# Altium PCB Copy of PCB1.PcbDoc (part 2 of 2) (continued)
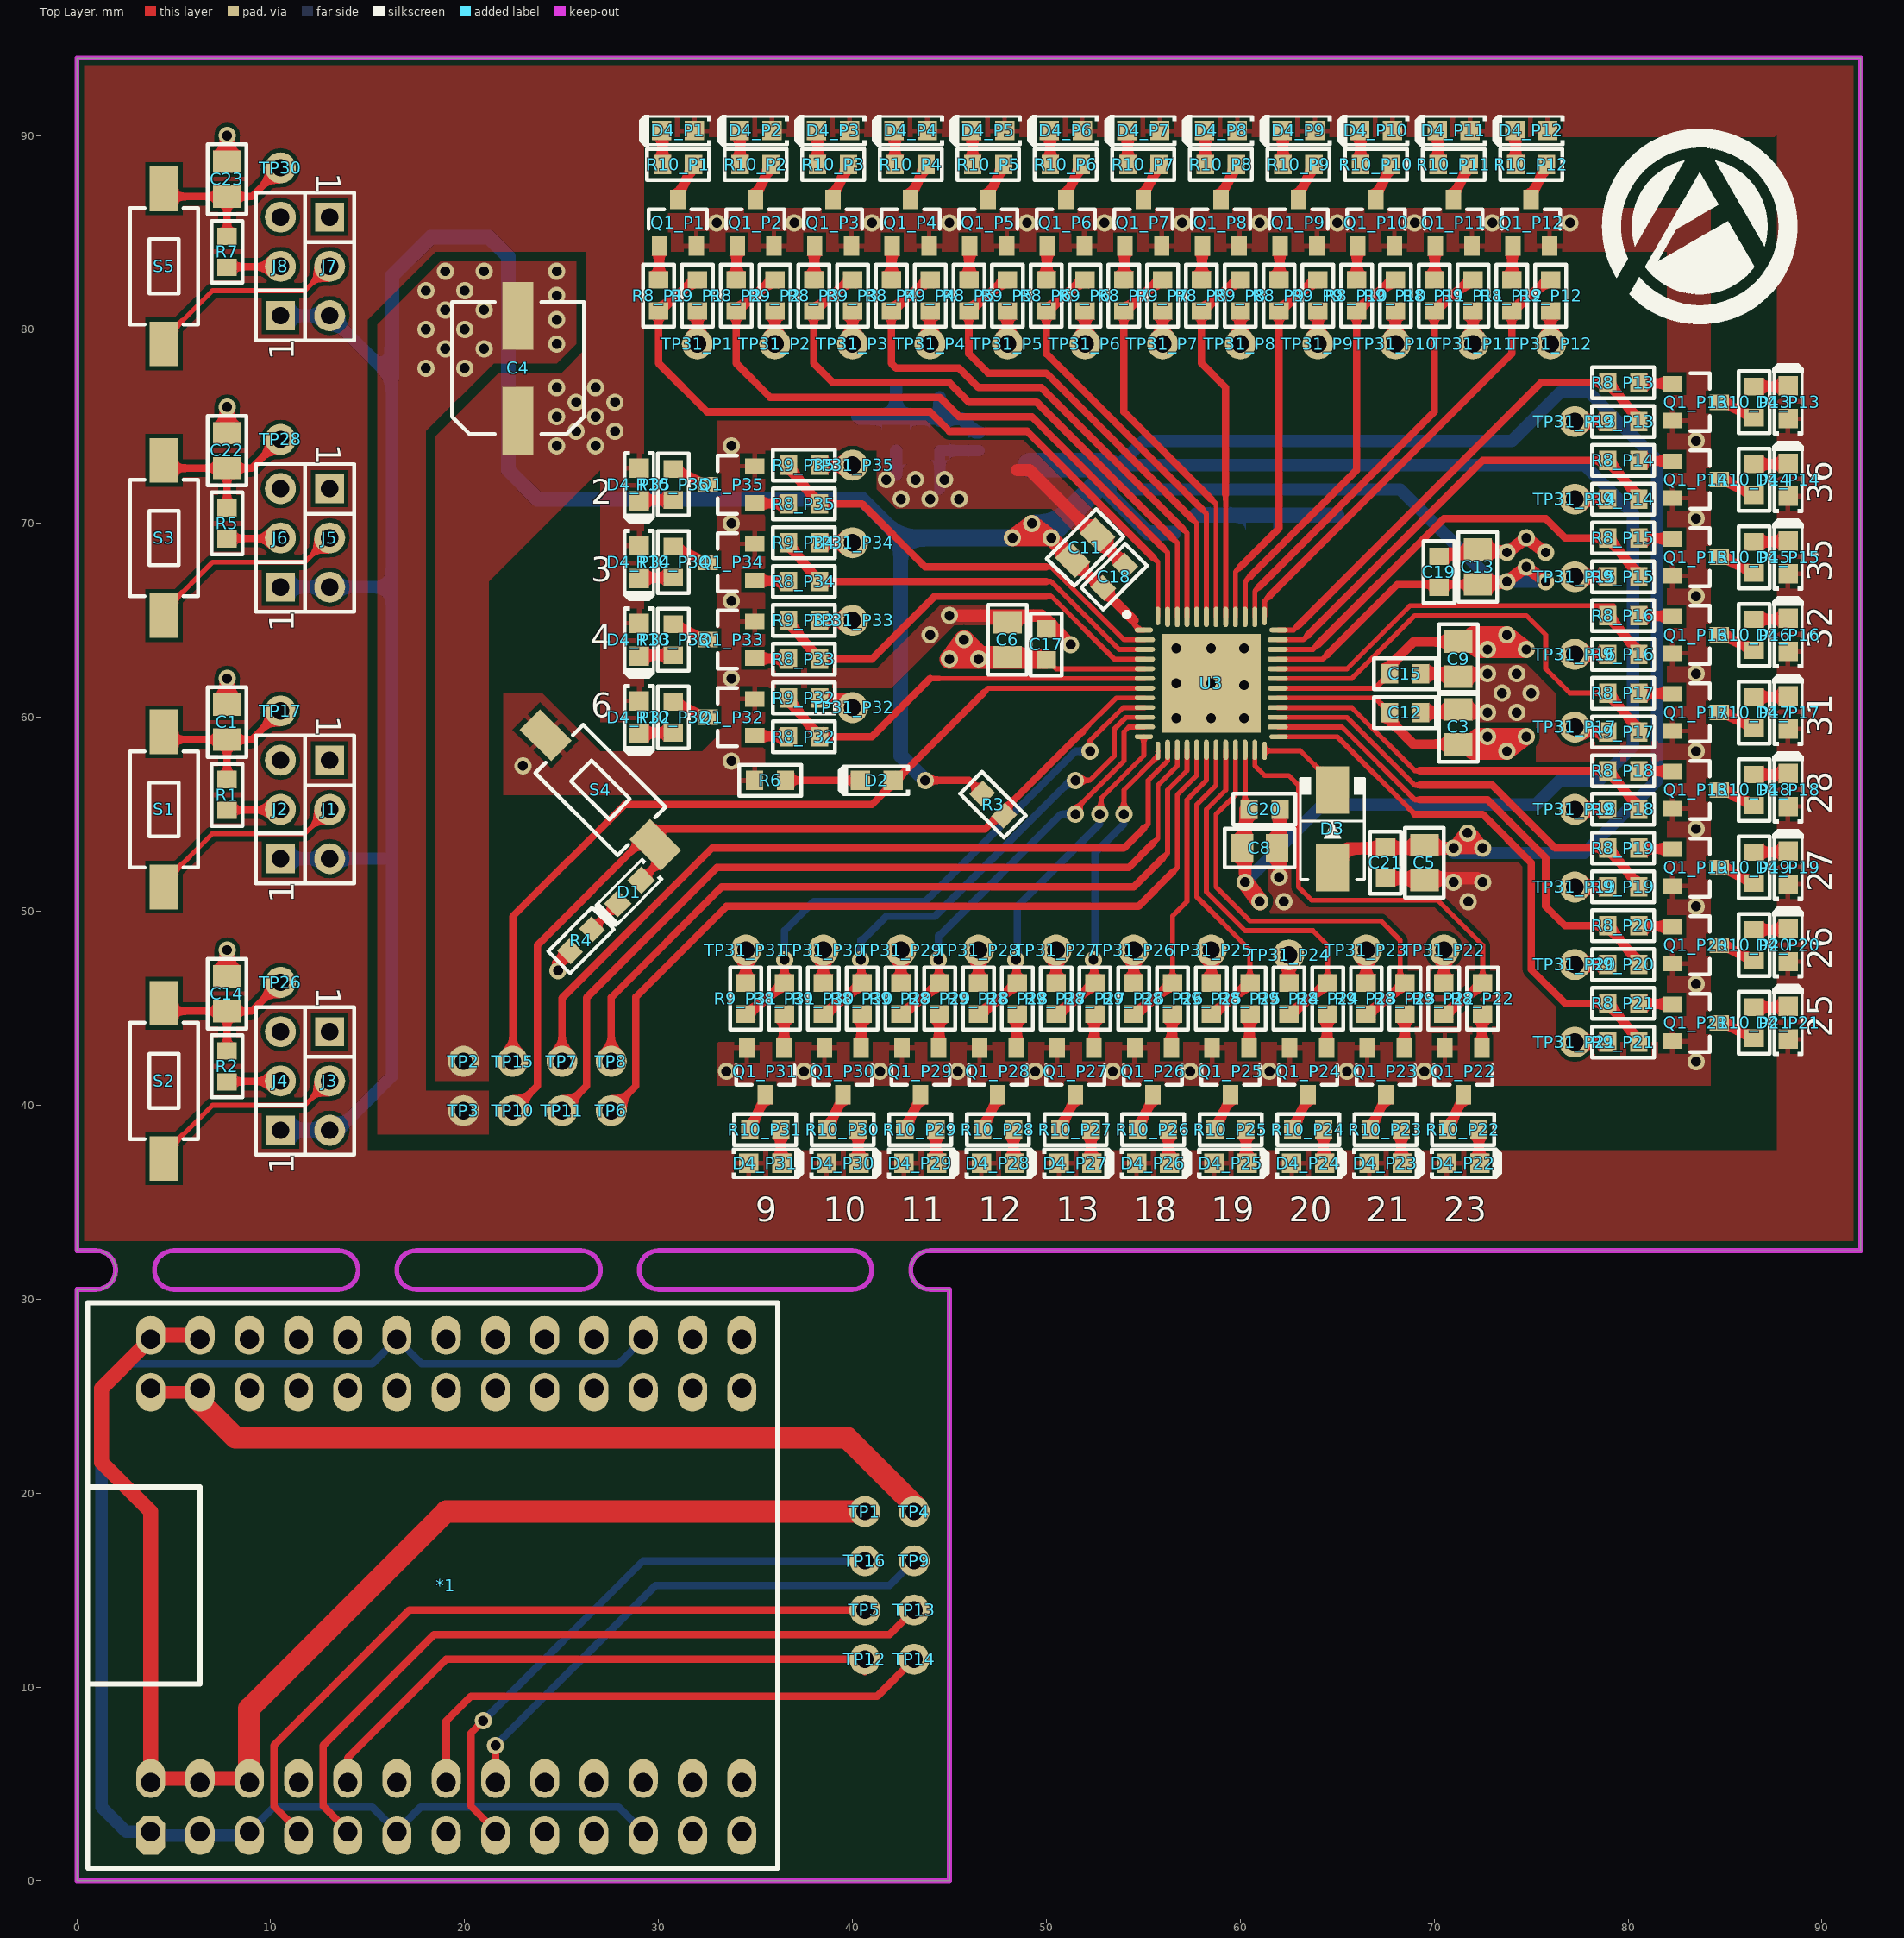
[diagram p0: Top Layer view]
## Nets (pads, with @x,y where several pads share a name; then routed paths per layer and width w, separated by ;. In a path a pad name is that pad's centre, name@x,y a point inside that pad or via, vN(x,y) a via of type N, cw(c..) or ccw(c..) an arc to the next point about the centre after c; other vN are vias at no path point) (continued)
NetQ1_P19_1: Q1_P19.1 R8_P19.2 | length 1.8
  Top Layer w0.508: R8_P19.2@80.6,53.25 80.625,53.225 82.375,53.225 Q1_P19.1@82.4,53.2
NetQ1_P19_3: Q1_P19.3 R10_P19.1 | length 1.9
  Top Layer w0.508: Q1_P19.3@84.8,52.25 R10_P19.1@86.55,51.45
NetQ1_P20_1: Q1_P20.1 R8_P20.2 | length 1.8
  Top Layer w0.508: R8_P20.2@80.6,49.25 80.625,49.225 82.375,49.225 Q1_P20.1@82.4,49.2
NetQ1_P20_3: Q1_P20.3 R10_P20.1 | length 1.9
  Top Layer w0.508: Q1_P20.3@84.8,48.25 R10_P20.1@86.55,47.45
NetQ1_P21_1: Q1_P21.1 R8_P21.2 | length 1.8
  Top Layer w0.508: R8_P21.2@80.6,45.25 80.625,45.225 82.375,45.225 Q1_P21.1@82.4,45.2
NetQ1_P21_3: Q1_P21.3 R10_P21.1 | length 1.9
  Top Layer w0.508: Q1_P21.3@84.8,44.25 R10_P21.1@86.55,43.45
NetQ1_P22_1: Q1_P22.1 R8_P22.2 | length 1.8
  Top Layer w0.508: Q1_P22.1@72.45,42.85 72.475,42.875 72.475,44.625 R8_P22.2@72.5,44.65
NetQ1_P22_3: Q1_P22.3 R10_P22.1 | length 1.9
  Top Layer w0.508: R10_P22.1@70.7,38.7 Q1_P22.3@71.5,40.45
NetQ1_P23_1: Q1_P23.1 R8_P23.2 | length 1.8
  Top Layer w0.508: Q1_P23.1@68.45,42.85 68.475,42.875 68.475,44.625 R8_P23.2@68.5,44.65
NetQ1_P23_3: Q1_P23.3 R10_P23.1 | length 1.9
  Top Layer w0.508: R10_P23.1@66.7,38.7 Q1_P23.3@67.5,40.45
NetQ1_P24_1: Q1_P24.1 R8_P24.2 | length 1.8
  Top Layer w0.508: Q1_P24.1@64.45,42.85 64.475,42.875 64.475,44.625 R8_P24.2@64.5,44.65
NetQ1_P24_3: Q1_P24.3 R10_P24.1 | length 1.9
  Top Layer w0.508: R10_P24.1@62.7,38.7 Q1_P24.3@63.5,40.45
NetQ1_P25_1: Q1_P25.1 R8_P25.2 | length 1.8
  Top Layer w0.508: Q1_P25.1@60.45,42.85 60.475,42.875 60.475,44.625 R8_P25.2@60.5,44.65
NetQ1_P25_3: Q1_P25.3 R10_P25.1 | length 1.9
  Top Layer w0.508: R10_P25.1@58.7,38.7 Q1_P25.3@59.5,40.45
NetQ1_P26_1: Q1_P26.1 R8_P26.2 | length 1.8
  Top Layer w0.508: Q1_P26.1@56.45,42.85 56.475,42.875 56.475,44.625 R8_P26.2@56.5,44.65
NetQ1_P26_3: Q1_P26.3 R10_P26.1 | length 1.9
  Top Layer w0.508: R10_P26.1@54.7,38.7 Q1_P26.3@55.5,40.45
NetQ1_P27_1: Q1_P27.1 R8_P27.2 | length 1.8
  Top Layer w0.508: Q1_P27.1@52.45,42.85 52.475,42.875 52.475,44.625 R8_P27.2@52.5,44.65
NetQ1_P27_3: Q1_P27.3 R10_P27.1 | length 1.9
  Top Layer w0.508: R10_P27.1@50.7,38.7 Q1_P27.3@51.5,40.45
NetQ1_P28_1: Q1_P28.1 R8_P28.2 | length 1.8
  Top Layer w0.508: Q1_P28.1@48.45,42.85 48.475,42.875 48.475,44.625 R8_P28.2@48.5,44.65
NetQ1_P28_3: Q1_P28.3 R10_P28.1 | length 1.9
  Top Layer w0.508: R10_P28.1@46.7,38.7 Q1_P28.3@47.5,40.45
NetQ1_P29_1: Q1_P29.1 R8_P29.2 | length 1.8
  Top Layer w0.508: Q1_P29.1@44.45,42.85 44.475,42.875 44.475,44.625 R8_P29.2@44.5,44.65
NetQ1_P29_3: Q1_P29.3 R10_P29.1 | length 1.9
  Top Layer w0.508: R10_P29.1@42.7,38.7 Q1_P29.3@43.5,40.45
NetQ1_P30_1: Q1_P30.1 R8_P30.2 | length 1.8
  Top Layer w0.508: Q1_P30.1@40.45,42.85 40.475,42.875 40.475,44.625 R8_P30.2@40.5,44.65
NetQ1_P30_3: Q1_P30.3 R10_P30.1 | length 1.9
  Top Layer w0.508: R10_P30.1@38.7,38.7 Q1_P30.3@39.5,40.45
NetQ1_P31_1: Q1_P31.1 R8_P31.2 | length 1.8
  Top Layer w0.508: Q1_P31.1@36.45,42.85 36.475,42.875 36.475,44.625 R8_P31.2@36.5,44.65
NetQ1_P31_3: Q1_P31.3 R10_P31.1 | length 1.9
  Top Layer w0.508: R10_P31.1@34.7,38.7 Q1_P31.3@35.5,40.45
NetQ1_P32_1: Q1_P32.1 R8_P32.2 | length 1.8
  Top Layer w0.508: Q1_P32.1@34.85,59.05 34.875,59.025 36.625,59.025 R8_P32.2@36.65,59
NetQ1_P32_3: Q1_P32.3 R10_P32.1 | length 1.9
  Top Layer w0.508: R10_P32.1@30.7,60.8 Q1_P32.3@32.45,60
NetQ1_P33_1: Q1_P33.1 R8_P33.2 | length 1.8
  Top Layer w0.508: Q1_P33.1@34.85,63.05 34.875,63.025 36.625,63.025 R8_P33.2@36.65,63
NetQ1_P33_3: Q1_P33.3 R10_P33.1 | length 1.9
  Top Layer w0.508: R10_P33.1@30.7,64.8 Q1_P33.3@32.45,64
NetQ1_P34_1: Q1_P34.1 R8_P34.2 | length 1.8
  Top Layer w0.508: Q1_P34.1@34.85,67.05 34.875,67.025 36.625,67.025 R8_P34.2@36.65,67
NetQ1_P34_3: Q1_P34.3 R10_P34.1 | length 1.9
  Top Layer w0.508: R10_P34.1@30.7,68.8 Q1_P34.3@32.45,68
NetQ1_P35_1: Q1_P35.1 R8_P35.2 | length 1.7
  Top Layer w0.508: Q1_P35.1@34.875,71.025 R8_P35.2@36.625,71.025
NetQ1_P35_3: Q1_P35.3 R10_P35.1 | length 1.9
  Top Layer w0.508: R10_P35.1@30.7,72.8 Q1_P35.3@32.45,72
NetR8_P1_1: R8_P1.1 R9_P1.1 U3.48 | length 38
  Top Layer w0.254: 55.5,68.25 55.75,68 U3.48@55.75,65.225
  Top Layer w0.381: R8_P1.1@30,80.95 30,78.25 32.5,75.75 44,75.75 45,74.75 49,74.75 55.5,68.25
  Top Layer w0.508: R8_P1.1@30,81 31.976,82.581 R9_P1.1@32,82.6
NetR8_P2_1: R8_P2.1 R9_P2.1 U3.47 | length 34.9
  Top Layer w0.254: 56,68.75 56.25,68.5 U3.47@56.25,65.175
  Top Layer w0.381: R8_P2.1@34,80.95 34,78.25 35.75,76.5 44.5,76.5 45.5,75.5 49.25,75.5 56,68.75
  Top Layer w0.508: R8_P2.1@34,81 35.976,82.581 R9_P2.1@36,82.6
NetR8_P3_1: R8_P3.1 R9_P3.1 U3.46 | length 31.7
  Top Layer w0.254: 56.5,69.25 56.75,69 U3.46@56.75,65.175
  Top Layer w0.381: R8_P3.1@38,80.95 38,78.25 39,77.25 45,77.25 46,76.25 49.5,76.25 56.5,69.25
  Top Layer w0.508: R8_P3.1@38,81 39.976,82.581 R9_P3.1@40,82.6
NetR8_P4_1: R8_P4.1 R9_P4.1 U3.45 | length 28.5
  Top Layer w0.254: 57,69.75 57.25,69.5 U3.45@57.25,65.175
  Top Layer w0.381: R8_P4.1@42,80.95 42,78.25 42.25,78 45.5,78 46.5,77 49.75,77 57,69.75
  Top Layer w0.508: R8_P4.1@42,81 43.976,82.581 R9_P4.1@44,82.6
NetR8_P5_1: R8_P5.1 R9_P5.1 U3.44 | length 25
  Top Layer w0.254: 57.5,70.25 57.75,70 U3.44@57.75,65.175
  Top Layer w0.381: R8_P5.1@46,80.95 46,78.75 47,77.75 50,77.75 57.5,70.25
  Top Layer w0.508: R8_P5.1@46,81 47.976,82.581 R9_P5.1@48,82.6
NetR8_P6_1: R8_P6.1 R9_P6.1 U3.43 | length 21.8
  Top Layer w0.254: 58,70.75 58.25,70.5 U3.43@58.25,65.175
  Top Layer w0.381: R8_P6.1@50,80.95 50,78.75 58,70.75
  Top Layer w0.508: R8_P6.1@50,81 51.976,82.581 R9_P6.1@52,82.6
NetR8_P7_1: R8_P7.1 R9_P7.1 U3.42 | length 20.3
  Top Layer w0.254: 58.5,71.25 58.75,71 U3.42@58.75,65.175
  Top Layer w0.381: R8_P7.1@54,80.95 54,75.75 58.5,71.25
  Top Layer w0.508: R8_P7.1@54,81 55.976,82.581 R9_P7.1@56,82.6
NetR8_P8_1: R8_P8.1 R9_P8.1 U3.41 | length 18.9
  Top Layer w0.254: U3.41@59.25,65.175 59.25,71.5
  Top Layer w0.381: R8_P8.1@58,80.95 58,78.25 59.25,77 59.25,71.5
  Top Layer w0.508: R8_P8.1@58,81 59.976,82.581 R9_P8.1@60,82.6
NetR8_P9_1: R8_P9.1 R9_P9.1 U3.40 | length 19.3
  Top Layer w0.254: U3.40@59.75,65.175 59.75,67.5 60,67.75
  Top Layer w0.381: 60,67.75 62,69.75 R8_P9.1@62,80.95
  Top Layer w0.508: R8_P9.1@62,81 63.976,82.581 R9_P9.1@64,82.6
NetR8_P10_1: R8_P10.1 R9_P10.1 U3.39 | length 20.7
  Top Layer w0.254: U3.39@60.25,65.175 60.25,67 60.5,67.25
  Top Layer w0.381: 60.5,67.25 66,72.75 R8_P10.1@66,80.95
  Top Layer w0.508: R8_P10.1@66,81 67.976,82.581 R9_P10.1@68,82.6
NetR8_P11_1: R8_P11.1 R9_P11.1 U3.38 | length 22.2
  Top Layer w0.254: U3.38@60.75,65.175 60.75,66.5 61,66.75
  Top Layer w0.381: 61,66.75 70,75.75 R8_P11.1@70,80.95
  Top Layer w0.508: R8_P11.1@70,81 71.976,82.581 R9_P11.1@72,82.6
NetR8_P12_1: R8_P12.1 R9_P12.1 U3.37 | length 23.6
  Top Layer w0.254: U3.37@61.25,65.225 61.252,65.227 61.252,66.002 61.5,66.25
  Top Layer w0.381: 61.5,66.25 74,78.75 R8_P12.1@74,80.95
  Top Layer w0.508: R8_P12.1@74,81 75.976,82.581 R9_P12.1@76,82.6
NetR8_P13_1: R8_P13.1 R9_P13.1 U3.36 | length 24.8
  Top Layer w0.254: U3.36@61.975,64.5 61.977,64.502 62.752,64.502 63,64.75
  Top Layer w0.381: 63,64.75 75.5,77.25 R8_P13.1@78.95,77.25
  Top Layer w0.508: R8_P13.1@79,77.25 80.58,75.274 R9_P13.1@80.6,75.25
NetR8_P14_1: R8_P14.1 R9_P14.1 U3.35 | length 23.4
  Top Layer w0.254: U3.35@61.925,64 63.25,64 63.5,64.25
  Top Layer w0.381: 63.5,64.25 72.5,73.25 R8_P14.1@78.95,73.25
  Top Layer w0.508: R8_P14.1@79,73.25 80.58,71.274 R9_P14.1@80.6,71.25
NetR8_P15_1: R8_P15.1 R9_P15.1 U3.34 | length 22.8
  Top Layer w0.254: U3.34@61.925,63.5 63.75,63.5 64,63.75
  Top Layer w0.381: 64,63.75 70.5,70.25 75.75,70.25 76.75,69.25 R8_P15.1@78.95,69.25
  Top Layer w0.508: R8_P15.1@79,69.25 80.58,67.274 R9_P15.1@80.6,67.25
NetR8_P16_1: R8_P16.1 R9_P16.1 U3.32 | length 21.9
  Top Layer w0.254: U3.32@61.925,62.5 65.5,62.5 68.75,65.75 R8_P16.1@79.25,65.75 ; 78.5,65.75 R8_P16.1@79,65.25
  Top Layer w0.508: R8_P16.1@79,65.25 80.58,63.274 R9_P16.1@80.6,63.25
NetR8_P17_1: R8_P17.1 R9_P17.1 U3.31 | length 23.6
  Top Layer w0.254: U3.31@61.925,62 65.75,62 69,65.25 74.75,65.25 75.75,64.25 75.75,62.5 77,61.25 R8_P17.1@78.95,61.25
  Top Layer w0.508: R8_P17.1@79,61.25 80.58,59.274 R9_P17.1@80.6,59.25
NetR8_P18_1: R8_P18.1 R9_P18.1 U3.28 | length 20.9
  Top Layer w0.254: U3.28@61.925,60.5 65.75,60.5 69,57.25 69.25,57.25
  Top Layer w0.381: 69.25,57.25 R8_P18.1@78.95,57.25
  Top Layer w0.508: R8_P18.1@79,57.25 80.58,55.274 R9_P18.1@80.6,55.25
NetR8_P19_1: R8_P19.1 R9_P19.1 U3.27 | length 22.4
  Top Layer w0.254: U3.27@61.925,60 65.5,60 69,56.5 69.25,56.5
  Top Layer w0.381: 69.25,56.5 73,56.5 76.25,53.25 R8_P19.1@78.95,53.25
  Top Layer w0.508: R8_P19.1@79,53.25 80.58,51.274 R9_P19.1@80.6,51.25
NetR8_P20_1: R8_P20.1 R9_P20.1 U3.26 | length 25.3
  Top Layer w0.254: U3.26@61.925,59.5 65.25,59.5 69,55.75 69.25,55.75
  Top Layer w0.381: 69.25,55.75 72.75,55.75 75.75,52.75 75.75,50.25 76.75,49.25 R8_P20.1@78.95,49.25
  Top Layer w0.508: R8_P20.1@79,49.25 80.58,47.274 R9_P20.1@80.6,47.25
NetR8_P21_1: R8_P21.1 R9_P21.1 U3.25 | length 28.5
  Top Layer w0.254: U3.25@61.975,59 65,59 69,55 ; R8_P21.1@78.95,45.25 R8_P21.1@79,45.25
  Top Layer w0.381: 69,55 72.5,55 75,52.5 75,47 76.75,45.25 R8_P21.1@78.95,45.25
  Top Layer w0.508: R8_P21.1@79,45.25 80.58,43.274 R9_P21.1@80.6,43.25
NetR8_P22_1: R8_P22.1 R9_P22.1 U3.23 | length 24
  Top Layer w0.254: U3.23@60.75,58.325 60.75,57.5 61.25,57 62.5,57 63,56.5 63,51.25 63.675,50.575 70.175,50.575 72.5,48.25 R8_P22.1@72.5,46.3 R8_P22.1@72.5,46.25
  Top Layer w0.508: R9_P22.1@70.5,44.65 70.524,44.67 R8_P22.1@72.5,46.25
NetR8_P23_1: R8_P23.1 R9_P23.1 U3.21 | length 23
  Top Layer w0.254: U3.21@59.75,58.325 59.75,56 58.75,55 58.75,51.25 60.5,49.5 67.25,49.5 68.25,48.5 68.25,46.55 R8_P23.1@68.5,46.3
  Top Layer w0.508: R9_P23.1@66.5,44.65 66.524,44.67 R8_P23.1@68.5,46.25
NetR8_P24_1: R8_P24.1 R9_P24.1 U3.20 | length 19.6
  Top Layer w0.254: U3.20@59.25,58.325 59.248,58.323 59.248,56.248 58.25,55.25 58.25,51 60.25,49 63.75,49 64.5,48.25 R8_P24.1@64.5,46.3
  Top Layer w0.508: R9_P24.1@62.5,44.65 62.524,44.67 R8_P24.1@64.5,46.25
NetR8_P25_1: R8_P25.1 R9_P25.1 U3.19 | length 16.2
  Top Layer w0.254: U3.19@58.75,58.325 58.75,56.5 57.75,55.5 57.75,50.75 60.5,48 R8_P25.1@60.5,46.3 R8_P25.1@60.425,46.375
  Top Layer w0.508: R9_P25.1@58.5,44.65 58.524,44.67 R8_P25.1@60.5,46.25
NetR8_P26_1: R8_P26.1 R9_P26.1 U3.18 | length 15.4
  Top Layer w0.254: R8_P26.1@56.425,46.375 R8_P26.1@56.5,46.3 56.5,49.75 57.25,50.5 57.25,55.75 58.248,56.748 58.248,58.323 U3.18@58.25,58.325
  Top Layer w0.508: R9_P26.1@54.5,44.65 54.524,44.67 R8_P26.1@56.5,46.25
NetR8_P27_1: R8_P27.1 R9_P27.1 U3.13 | length 16.5
  Top Layer w0.254: R8_P27.1@52.175,46.623 52.498,46.3 R8_P27.1@52.5,46.3 ; v1(54,55) 54,56.25 U3.13@55.75,58 ; U3.13@55.748,57.927 55.75,57.929 U3.13@55.75,58 ; U3.13@55.75,58.275 U3.13@55.75,58.25 ; U3.13@55.762,58.263 U3.13@55.75,58.25 ; U3.13@55.75,58 U3.13@55.75,58.25
  Top Layer w0.381: v1(52.425,47.5) 52.462,47.463 52.462,46.338 R8_P27.1@52.5,46.3
  Top Layer w0.508: R9_P27.1@50.5,44.65 50.524,44.67 R8_P27.1@52.5,46.25
  Bottom Layer w0.381: v1@52.5,47.5 52.5,53 54,54.5 v1(54,55)
NetR8_P28_1: R8_P28.1 R9_P28.1 U3.12 | length 18
  Top Layer w0.254: v1(52.75,55) 52.825,55.076 52.825,55.826 55.025,58.025 U3.12@55.025,59
  Top Layer w0.381: v1(48.425,47.5) 48.462,47.463 48.462,46.338 R8_P28.1@48.5,46.3
  Top Layer w0.508: R9_P28.1@46.5,44.65 46.524,44.67 R8_P28.1@48.5,46.25
  Bottom Layer w0.381: v1@48.5,47.5 48.5,50.25 52.75,54.5 v1(52.75,55)
NetR8_P29_1: R8_P29.1 R9_P29.1 U3.11 | length 21.1
  Top Layer w0.254: v1(51.5,55) 51.5,55.25 54,57.75 54,59.25 54.248,59.498 55.073,59.498 U3.11@55.075,59.5
  Top Layer w0.381: v1(44.425,47.5) 44.462,47.463 44.462,46.338 R8_P29.1@44.5,46.3
  Top Layer w0.508: R9_P29.1@42.5,44.65 42.524,44.67 R8_P29.1@44.5,46.25
  Bottom Layer w0.381: v1(44.425,47.5) 44.425,48.75 ; 44.5,48.75 50.75,55 v1(51.5,55)
NetR8_P30_1: R8_P30.1 R9_P30.1 U3.10 | length 25
  Top Layer w0.254: R8_P30.1@40.425,46.375 40.462,46.338 R8_P30.1@40.5,46.3 ; v1(51.5,56.75) 52.25,56.75 53.5,58 53.5,59.397 54.103,60 U3.10@55.075,60
  Top Layer w0.381: v1(40.425,47.5) 40.462,47.463 R8_P30.1@40.462,46.338
  Top Layer w0.508: R9_P30.1@38.5,44.65 38.524,44.67 R8_P30.1@40.5,46.25
  Bottom Layer w0.381: v1(40.425,47.5) 40.441,47.516 40.441,48.516 ; 40.516,48.516 41.75,49.75 44.25,49.75 51.25,56.75 v1(51.5,56.75)
NetR8_P31_1: R8_P31.1 R9_P31.1 U3.9 | length 28.9
  Top Layer w0.254: v1(52.25,58.25) 52.25,58.793 53.957,60.5 U3.9@55.075,60.5
  Top Layer w0.381: R8_P31.1@36.5,46.3 v1(36.5,47.5)
  Top Layer w0.508: R9_P31.1@34.5,44.65 34.524,44.67 R8_P31.1@36.5,46.25
  Bottom Layer w0.381: v1(36.5,47.5) 36.5,49 38,50.5 43.75,50.5 51.5,58.25 v1(52.25,58.25)
NetR8_P32_1: R8_P32.1 R9_P32.1 U3.6 | length 20.6
  Top Layer w0.254: 44,62 45,62 U3.6@55.075,62
  Top Layer w0.381: R8_P32.1@38.3,59 41,59 44,62
  Top Layer w0.508: R9_P32.1@36.65,61 36.67,60.976 R8_P32.1@38.25,59
NetR8_P33_1: R8_P33.1 R9_P33.1 U3.4 | length 22
  Top Layer w0.254: 50,66.25 50.25,66.25 53.5,63 U3.4@55.075,63
  Top Layer w0.381: R8_P33.1@38.3,63 41,63 44.25,66.25 50,66.25
  Top Layer w0.508: R9_P33.1@36.65,65 36.67,64.976 R8_P33.1@38.25,63
NetR8_P34_1: R8_P34.1 R9_P34.1 U3.3 | length 20.8
  Top Layer w0.254: R8_P34.1@38.25,67 R8_P34.1@38.3,67 ; 50,67 50.25,67 53.75,63.5 U3.3@55.075,63.5
  Top Layer w0.381: R8_P34.1@38.3,67 50,67
  Top Layer w0.508: R9_P34.1@36.65,69 36.67,68.976 R8_P34.1@38.25,67
NetR8_P35_1: R8_P35.1 R9_P35.1 U3.2 | length 22.2
  Top Layer w0.254: 50,67.75 50.25,67.75 54,64 U3.2@55.075,64
  Top Layer w0.381: R8_P35.1@38.3,71 40.5,71 43.75,67.75 50,67.75
  Top Layer w0.508: R9_P35.1@36.65,73 36.67,72.976 R8_P35.1@38.25,71
NetR9_P1_2: R9_P1.2 TP31_P1.1 | length 1.7
  Top Layer w0.508: TP31_P1.1@32,79.3 R9_P1.2@32,81
NetR9_P2_2: R9_P2.2 TP31_P2.1 | length 1.7
  Top Layer w0.508: TP31_P2.1@36,79.3 R9_P2.2@36,81
NetR9_P3_2: R9_P3.2 TP31_P3.1 | length 1.7
  Top Layer w0.508: TP31_P3.1@40,79.3 R9_P3.2@40,81
NetR9_P4_2: R9_P4.2 TP31_P4.1 | length 1.7
  Top Layer w0.508: TP31_P4.1@44,79.3 R9_P4.2@44,81
NetR9_P5_2: R9_P5.2 TP31_P5.1 | length 1.7
  Top Layer w0.508: TP31_P5.1@48,79.3 R9_P5.2@48,81
NetR9_P6_2: R9_P6.2 TP31_P6.1 | length 1.7
  Top Layer w0.508: TP31_P6.1@52,79.3 R9_P6.2@52,81
NetR9_P7_2: R9_P7.2 TP31_P7.1 | length 1.7
  Top Layer w0.508: TP31_P7.1@56,79.3 R9_P7.2@56,81
NetR9_P8_2: R9_P8.2 TP31_P8.1 | length 1.7
  Top Layer w0.508: TP31_P8.1@60,79.3 R9_P8.2@60,81
NetR9_P9_2: R9_P9.2 TP31_P9.1 | length 1.7
  Top Layer w0.508: TP31_P9.1@64,79.3 R9_P9.2@64,81
NetR9_P10_2: R9_P10.2 TP31_P10.1 | length 1.7
  Top Layer w0.508: TP31_P10.1@68,79.3 R9_P10.2@68,81
NetR9_P11_2: R9_P11.2 TP31_P11.1 | length 1.7
  Top Layer w0.508: TP31_P11.1@72,79.3 R9_P11.2@72,81
NetR9_P12_2: R9_P12.2 TP31_P12.1 | length 1.7
  Top Layer w0.508: TP31_P12.1@76,79.3 R9_P12.2@76,81
NetR9_P13_2: R9_P13.2 TP31_P13.1 | length 1.7
  Top Layer w0.508: TP31_P13.1@77.3,75.25 R9_P13.2@79,75.25
NetR9_P14_2: R9_P14.2 TP31_P14.1 | length 1.7
  Top Layer w0.508: TP31_P14.1@77.3,71.25 R9_P14.2@79,71.25
NetR9_P15_2: R9_P15.2 TP31_P15.1 | length 1.7
  Top Layer w0.508: TP31_P15.1@77.3,67.25 R9_P15.2@79,67.25
NetR9_P16_2: R9_P16.2 TP31_P16.1 | length 1.7
  Top Layer w0.508: TP31_P16.1@77.3,63.25 R9_P16.2@79,63.25
NetR9_P17_2: R9_P17.2 TP31_P17.1 | length 1.7
  Top Layer w0.508: TP31_P17.1@77.3,59.25 R9_P17.2@79,59.25
NetR9_P18_2: R9_P18.2 TP31_P18.1 | length 1.7
  Top Layer w0.508: TP31_P18.1@77.3,55.25 R9_P18.2@79,55.25
NetR9_P19_2: R9_P19.2 TP31_P19.1 | length 1.7
  Top Layer w0.508: TP31_P19.1@77.3,51.25 R9_P19.2@79,51.25
NetR9_P20_2: R9_P20.2 TP31_P20.1 | length 1.7
  Top Layer w0.508: TP31_P20.1@77.3,47.25 R9_P20.2@79,47.25
NetR9_P21_2: R9_P21.2 TP31_P21.1 | length 1.7
  Top Layer w0.508: TP31_P21.1@77.3,43.25 R9_P21.2@79,43.25
NetR9_P22_2: R9_P22.2 TP31_P22.1 | length 1.7
  Top Layer w0.508: R9_P22.2@70.5,46.25 TP31_P22.1@70.5,47.95
NetR9_P23_2: R9_P23.2 TP31_P23.1 | length 1.7
  Top Layer w0.508: R9_P23.2@66.5,46.25 TP31_P23.1@66.5,47.95
NetR9_P24_2: R9_P24.2 TP31_P24.1 | length 1.7
  Top Layer w0.508: R9_P24.2@62.5,46.25 TP31_P24.1@62.5,47.95
NetR9_P25_2: R9_P25.2 TP31_P25.1 | length 1.7
  Top Layer w0.508: R9_P25.2@58.5,46.25 TP31_P25.1@58.5,47.95
NetR9_P26_2: R9_P26.2 TP31_P26.1 | length 1.7
  Top Layer w0.508: R9_P26.2@54.5,46.25 TP31_P26.1@54.5,47.95
NetR9_P27_2: R9_P27.2 TP31_P27.1 | length 1.7
  Top Layer w0.508: R9_P27.2@50.5,46.25 TP31_P27.1@50.5,47.95
NetR9_P28_2: R9_P28.2 TP31_P28.1 | length 1.7
  Top Layer w0.508: R9_P28.2@46.5,46.25 TP31_P28.1@46.5,47.95
NetR9_P29_2: R9_P29.2 TP31_P29.1 | length 1.7
  Top Layer w0.508: R9_P29.2@42.5,46.25 TP31_P29.1@42.5,47.95
NetR9_P30_2: R9_P30.2 TP31_P30.1 | length 1.7
  Top Layer w0.508: R9_P30.2@38.5,46.25 TP31_P30.1@38.5,47.95
NetR9_P31_2: R9_P31.2 TP31_P31.1 | length 1.7
  Top Layer w0.508: R9_P31.2@34.5,46.25 TP31_P31.1@34.5,47.95
NetR9_P32_2: R9_P32.2 TP31_P32.1 | length 1.7
  Top Layer w0.508: R9_P32.2@38.25,61 TP31_P32.1@39.95,61
NetR9_P33_2: R9_P33.2 TP31_P33.1 | length 1.7
  Top Layer w0.508: R9_P33.2@38.25,65 TP31_P33.1@39.95,65
NetR9_P34_2: R9_P34.2 TP31_P34.1 | length 1.7
  Top Layer w0.508: R9_P34.2@38.25,69 TP31_P34.1@39.95,69
NetR9_P35_2: R9_P35.2 TP31_P35.1 | length 1.7
  Top Layer w0.508: R9_P35.2@38.25,73 TP31_P35.1@39.95,73
SCK: *1.7 TP5.1 TP11.1 U3.15 | length 82.5
  Top Layer w0.254: 55.5,53.5 55.75,53.75 55.75,56.5 56.748,57.498 56.748,58.323 U3.15@56.75,58.325
  Top Layer w0.381: *1.7@11.43,2.54 11.43,2.59 10.16,3.86 10.16,6.985 17.145,13.97 TP5.1@40.64,13.97 ; TP11.1@25.02,39.72 26.29,40.99 26.29,45.54 33,52.25 54.25,52.25 55.5,53.5
SS: *1.14 TP8.1 TP14.1 U3.16 | length 69.4
  Top Layer w0.254: 56,52.75 56.25,53 56.25,56.25 57.25,57.25 U3.16@57.25,58.325
  Top Layer w0.381: *1.14@19.05,5.08 19.05,8.255 20.32,9.525 41.275,9.525 TP14.1@43.18,11.43 ; TP8.1@27.56,42.26 27.56,45.56 33.25,51.25 54.5,51.25 56,52.75
pads on no net: *1.8 *1.12 *1.13 *1.17 *1.18 *1.19 *1.20 *1.22 *1.23 *1.24 *1.25 *1.26 *1.31 *1.32 *1.33 *1.34 *1.35 *1.36 *1.37 *1.39 *1.40 *1.41 *1.42 *1.43 *1.44 *1.45 *1.46 *1.47 *1.49 *1.50 *1.51 *1.52 U1.4

## Polygon pours and split planes (outlines as drawn)
GND on Bottom Layer "Bottom Layer-GND" (solid, remove dead copper, pour order 24): 92,33 92,94 0,94 0,33
5V0 on Bottom Layer "Bottom Layer-5V0" (solid, pour order 22): 46,73.25 46,71.75 48,71.75 48,75.75 46,77.75 23.75,77.75 23.75,73.25 27.75,73.25 29.25,74.75 45.25,74.75 45.75,74.25 47.25,74.25 47.25,73.25
1V2 on Bottom Layer "Bottom Layer-1V2" (solid, pour order 0): 75.5,59.5 75.5,58.75 74.25,57.5 71.5,57.5 63.5,65.5 50,65.5 46.75,62.25 44,62.25 44,63.25 48,67.25 61.75,67.25 62.25,67.75 58.25,67.75 58.25,69.25 59.5,69.25 60,68.75 68.25,68.75 72,65 74.5,65 75.5,64 75.5,63 71.25,63 67.25,67 65,67 72.5,59.5
GND on Top Layer "Top Layer-GND 1" (solid, pour order 20): 22,56 35.5,56 35.5,61.5 42,61.5 45.25,64.75 50.25,64.75 50.25,66 44.75,66 41.25,62.5 35.5,62.5 35.5,73.75 41.25,73.75 41.25,71.75 42.25,70.75 50.25,70.75 53.75,67.25 55,68.5 49,74.5 45,74.5 44,75.5 33,75.5 33,59 32.25,58.25 27,58.25 24,61.25 22,61.25
GND on Top Layer "Top Layer-GND 2" (solid, pour order 18): 84.25,41 84.25,86.25 30.5,86.25 30.5,84 82,84 82,58.75 77.3,58.75 77.3,59.5 76.25,59.5 76.25,61.25 74.75,62.75 68.75,62.75 68.75,59.75 75.25,59.75 75.25,57.5 78,57.5 78.25,57.75 82,57.75 82,43.25 76.25,43.25 76.25,45.75 75,47 75,52.5 61.475,52.5 61.475,49.25 66.5,49.25 68.5,47.25 68.5,43.25 33,43.25 33,41
GND on Top Layer "Top Layer-GND" (solid, pour order 16): 21.25,40.75 18,40.75 18,74.75 21.5,78.25 24.75,78.25 25.75,79.25 25.75,83.5 18.75,83.5 15.5,80.25 15.5,38.5 21.25,38.5
5V0 on Top Layer "Top Layer-5V0" (solid, pour order 14): 21.25,41.25 21.25,67 27,72.75 27,59.75 29.25,59.75 29.25,89.75 26.25,89.75 26.25,79 25,77.75 21.75,77.75 18.5,74.5 18.5,41.25
5V0 on Top Layer "Top Layer-5V0 1" (solid, pour order 12): 87.671,89.921 87.671,94.171 0,94.171 0,33 91.921,33 91.921,94.171 87.671,94.171 87.671,37.671 15,37.671 15,80.5 18.5,84 29.25,84 29.25,89.921
5V0 on Top Layer "Top Layer-5V0 2" (solid, pour order 4): -13.75,75.75

## Keep-outs
Bottom Layer:
  region: 37.425,47.275 37.425,47.45 37.25,47.45 37.25,47.275
  region: 39.575,47.15 39.575,47.325 39.4,47.325 39.4,47.15
  region: 51.55,47.2 51.55,47.375 51.375,47.375 51.375,47.2
  region: 49.325,47.35 49.325,47.525 49.15,47.525 49.15,47.35
  region: 41.375,47.425 41.375,47.6 41.2,47.6 41.2,47.425
  region: 43.575,47.3 43.575,47.475 43.4,47.475 43.4,47.3
  region: 47.55,47.275 47.55,47.45 47.375,47.45 47.375,47.275
  region: 45.325,47.25 45.325,47.425 45.15,47.425 45.15,47.25
  region: 71.875,60.675 71.875,62.75 71.7,62.75 71.7,60.675
  region: 49.9,74.1 49.9,74.275 49.725,74.275 49.725,74.1
  region: 46.525,70.025 46.525,71.5 46.35,71.5 46.35,70.025
  region: 54.631,69.125 54.631,69.181 51.15,69.181 51.15,69.125
  rectangle: 56.77,70.2 57.05,71.1
Keep-Out Layer:
  lines w0.254: 1,30.5 ccw(c1,31.5) 1,32.5 0,32.5 0,94 92,94 92,32.5 44,32.5 ccw(c44,31.5) 44,30.5 45,30.5 45,0 0,0 0,30.5 1.004,30.5 ; 13.5,30.5 ccw(c13.5,31.5) 13.5,32.5 5,32.5 ccw(c5,31.5) 5,30.5 13.504,30.5 ; 17.496,30.5 26,30.5 ccw(c26,31.5) 26,32.5 17.5,32.5 ccw(c17.5,31.5) 17.5,30.5 ; 29.996,30.5 40,30.5 ccw(c40,31.5) 40,32.5 30,32.5 ccw(c30,31.5) 30,30.5

## Silkscreen, mask and mechanical layers (free items; w line width, h text height)
Top Overlay:
  drawing of 4 lines, arcs and shapes, not listed
  text "2" at 26.5,71 h1.27
  text "36" at 90.5,71 h1.27 r90
  text "3" at 26.5,67 h1.27
  text "35" at 90.5,67 h1.27 r90
  text "4" at 26.5,63.5 h1.27
  text "32" at 90.5,63.5 h1.27 r90
  text "6" at 26.5,60 h1.27
  text "31" at 90.5,59 h1.27 r90
  text "28" at 90.5,55 h1.27 r90
  text "27" at 90.5,51 h1.27 r90
  text "26" at 90.5,47 h1.27 r90
  text "25" at 90.5,43.5 h1.27 r90
  text "9" at 35,34 h1.27
  text "10" at 38.5,34 h1.27
  text "11" at 42.5,34 h1.27
  text "12" at 46.5,34 h1.27
  text "13" at 50.5,34 h1.27
  text "18" at 54.5,34 h1.27
  text "19" at 58.5,34 h1.27
  text "20" at 62.5,34 h1.27
  text "21" at 66.5,34 h1.27
  text "23" at 70.5,34 h1.27
Mechanical 1:
  lines w0.254: 1,30.5 ccw(c1,31.5) 1,32.5 0,32.5 0,94 92,94 92,32.5 44,32.5 ccw(c44,31.5) 44,30.5 45,30.5 45,0 0,0 0,30.5 1.004,30.5 ; 13.5,30.5 ccw(c13.5,31.5) 13.5,32.5 5,32.5 ccw(c5,31.5) 5,30.5 13.504,30.5 ; 17.496,30.5 26,30.5 ccw(c26,31.5) 26,32.5 17.5,32.5 ccw(c17.5,31.5) 17.5,30.5 ; 29.996,30.5 40,30.5 ccw(c40,31.5) 40,32.5 30,32.5 ccw(c30,31.5) 30,30.5
Mechanical 13:
  lines w0.254: 1,30.5 ccw(c1,31.5) 1,32.5 0,32.5 0,94 92,94 92,32.5 44,32.5 ccw(c44,31.5) 44,30.5 45,30.5 45,0 0,0 0,30.5 1.004,30.5 ; 13.5,30.5 ccw(c13.5,31.5) 13.5,32.5 5,32.5 ccw(c5,31.5) 5,30.5 13.504,30.5 ; 17.496,30.5 26,30.5 ccw(c26,31.5) 26,32.5 17.5,32.5 ccw(c17.5,31.5) 17.5,30.5 ; 29.996,30.5 40,30.5 ccw(c40,31.5) 40,32.5 30,32.5 ccw(c30,31.5) 30,30.5

## Text inside footprints (layer, text, board x,y; h text height)
J1: Top Overlay "1" at 12.34,60.09 h1.27 r270
J2: Top Overlay "1" at 11.2,50.41 h1.27 r90
J3: Top Overlay "1" at 12.34,46.09 h1.27 r270
J4: Top Overlay "1" at 11.2,36.41 h1.27 r90
J5: Top Overlay "1" at 12.34,74.09 h1.27 r270
J6: Top Overlay "1" at 11.2,64.41 h1.27 r90
J7: Top Overlay "1" at 12.34,88.09 h1.27 r270
J8: Top Overlay "1" at 11.2,78.41 h1.27 r90